# Altium PCB Copy of PCB_V0.0.PcbDoc (part 1 of 2) (continued)
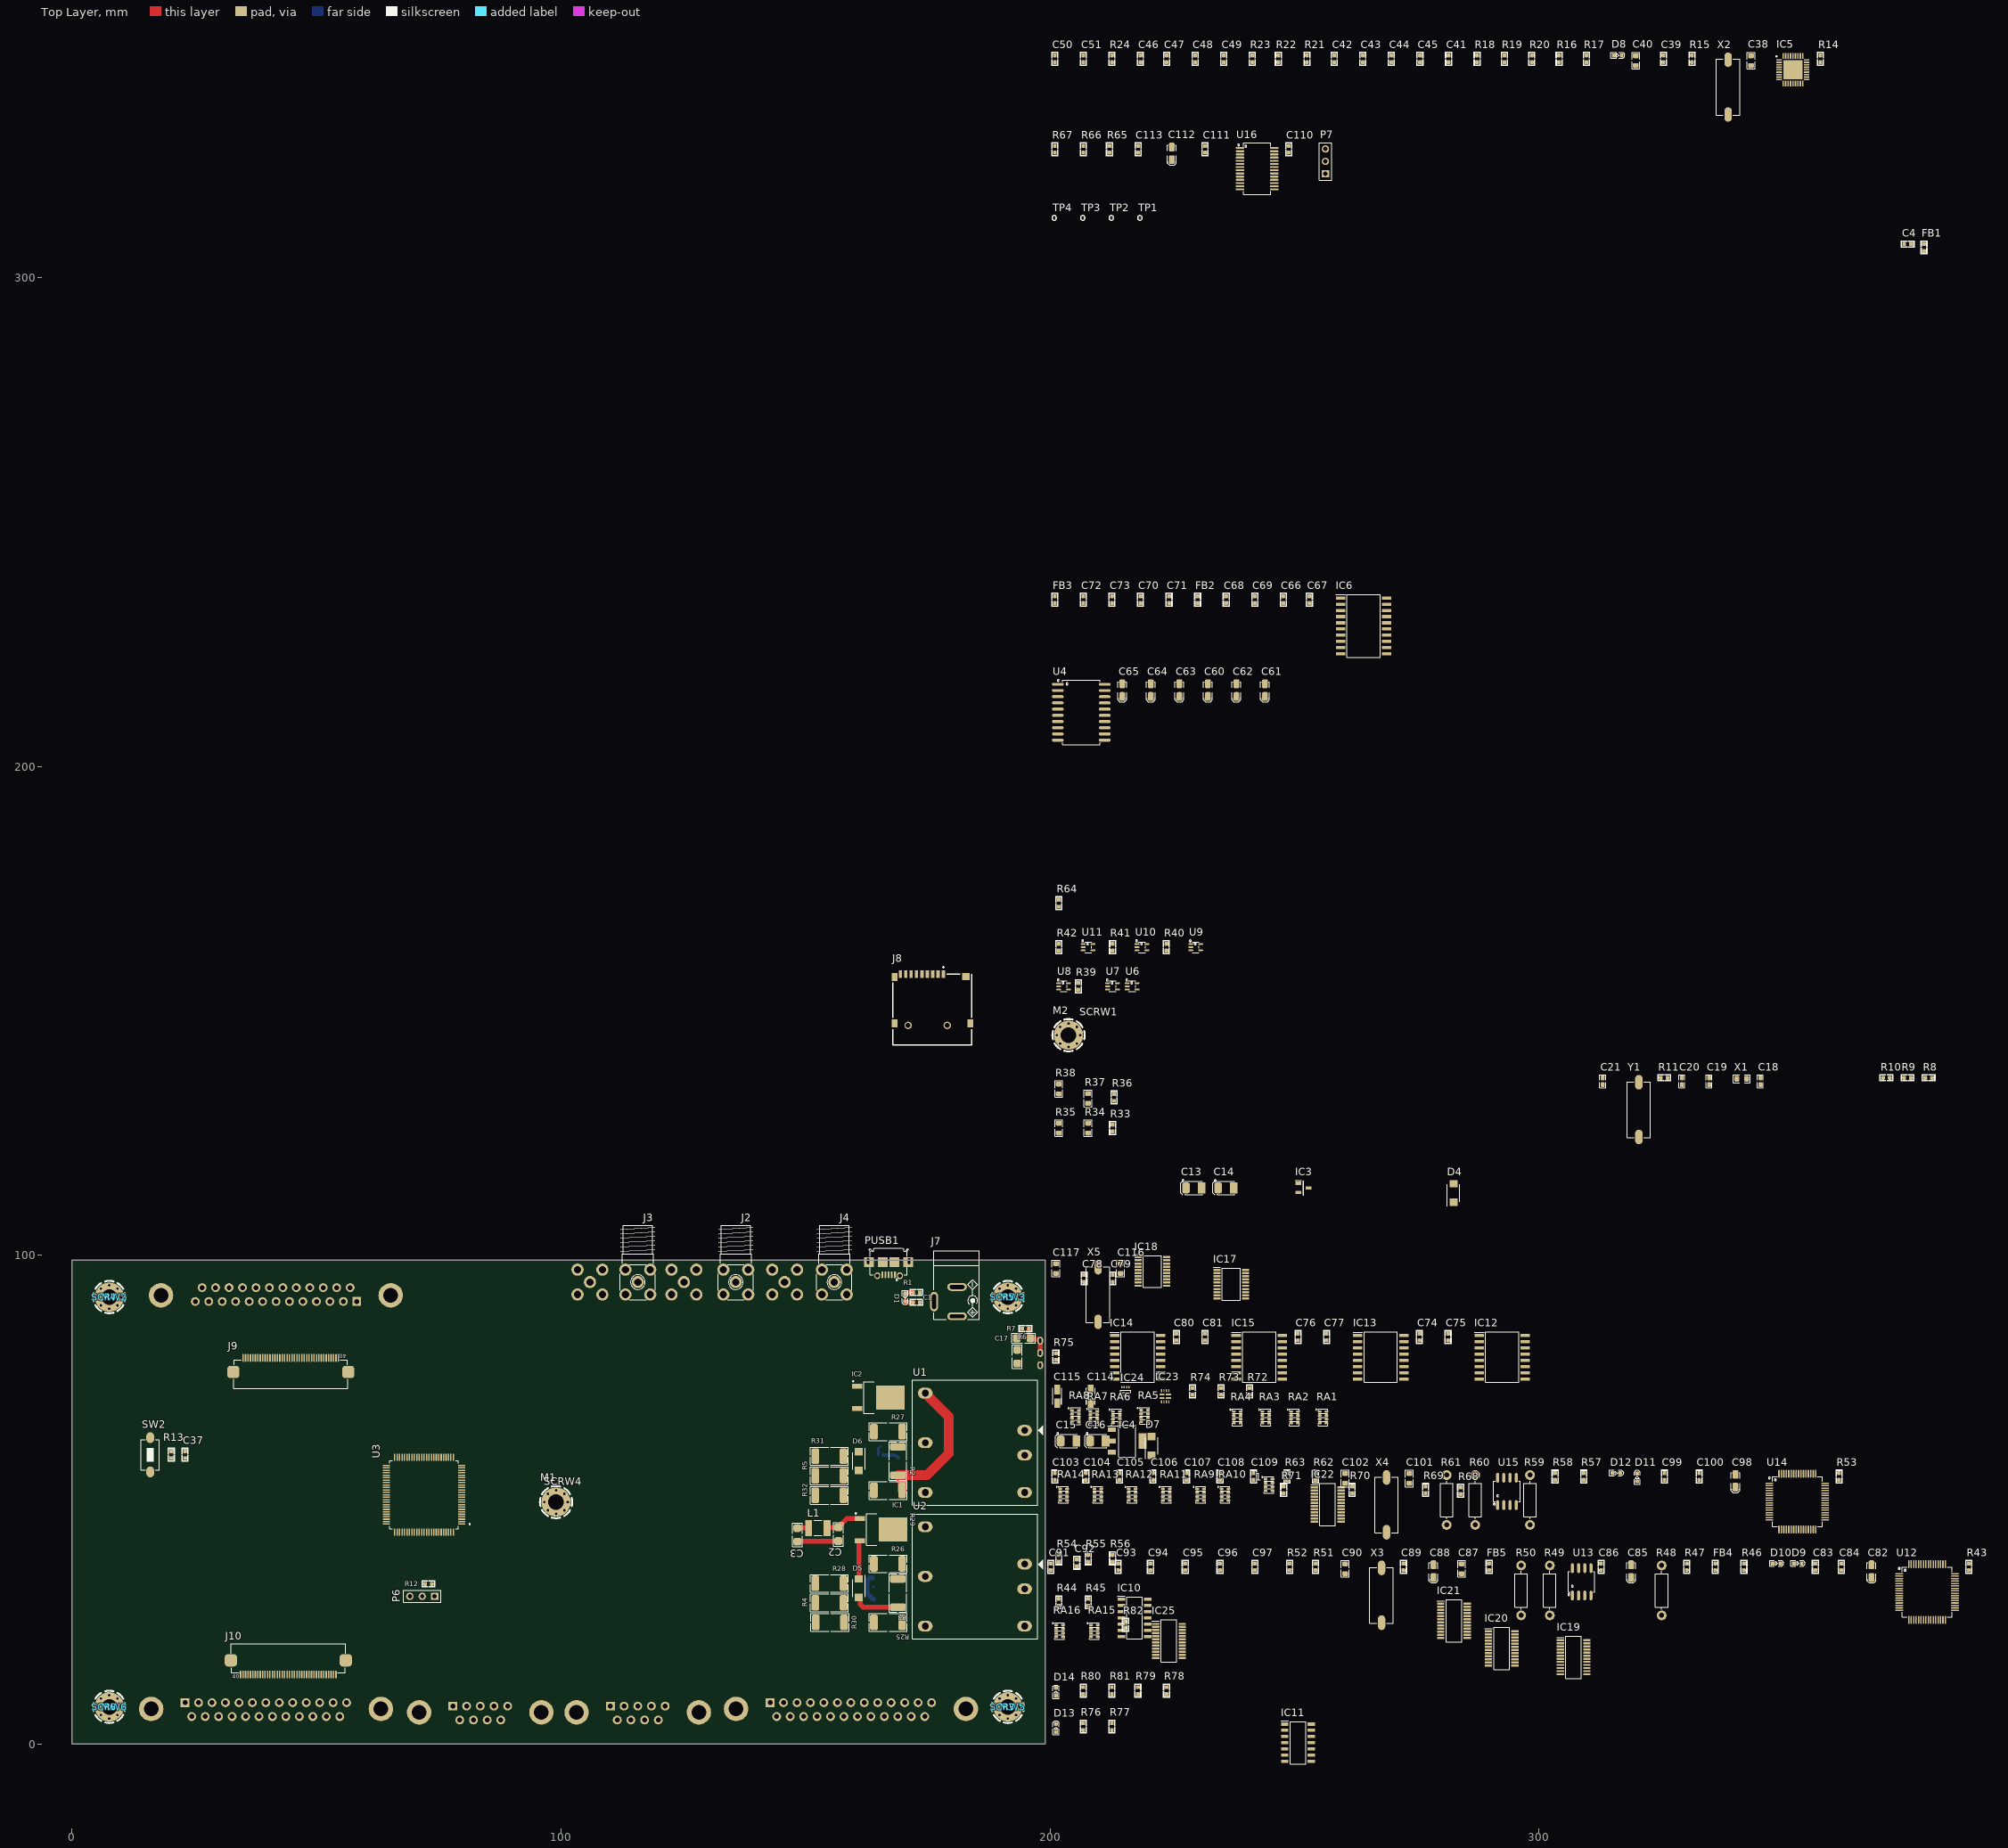
[diagram p0: Top Layer view]
## Components (designator, comment, footprint, x,y, rotation, side; value= is the part's Value field where it differs from the comment) (continued)
P4 "DSUB_9RF" DSUB_9RF 115.7,6.5 r0 bottom locked
P5 "DSUB_9RF" DSUB_9RF 83.5,6.5 r0 bottom locked
P6 "Header 3" "HDR 1X3" 74.168,30.226 r180 top
P7 "Header 3" "HDR 1X3" 256.328,321.199 r90 top
PUSB1 "CONN_USB_MICROAB_TM" USB_MICRO_AB_TM_SHT 167,96 r0 top
R1 "1K" R0603 172.682,92.366 r0 top
R2 "30m" R2512 168.892,57.888 r90 top
R3 "30m" R2512 168.892,30.888 r270 top
R4 "30m" R2512 154.892,28.888 r180 top
R5 "30m" R2512 154.892,54.888 r0 top
R6 "10K" R1206 193.294,79.248 r270 top
R7 "10E" R0603 195,85 r0 top
R8 "0R" R0603 379.671,136.287 r0 top
R9 "0R" R0603 375.353,136.287 r0 top
R10 "0R" R0603 371.035,136.287 r0 top
R11 "1M" R0603 325.594,136.287 r0 top
R12 "10k" R0603 72.898,32.766 r180 top
R13 "10k" R0603 20.32,59.182 r270 top
R14 "0R" R0603 357.547,344.719 r90 top
R15 "1M" R0603 331.284,344.719 r90 top
R16 "100K" R0603 304.106,344.719 r90 top
R17 "330E" R0603 309.694,344.719 r90 top
R18 "100K" R0603 287.342,344.719 r90 top
R19 "100K" R0603 292.93,344.719 r90 top
R20 "100K" R0603 298.518,344.719 r90 top
R21 "100K" R0603 252.544,344.719 r90 top
R22 "100K" R0603 246.702,344.719 r90 top
R23 "12.0k    1%" R0603 241.368,344.719 r90 top
R24 "100K" R0603 212.666,344.719 r90 top
R25 "10R" R2512 166.892,24.888 r0 top
R26 "10R" R2512 166.892,36.888 r180 top
R27 "10R" R2512 166.892,63.888 r0 top
R28 "10R" R2512 154.892,32.888 r0 top
R29 "10R" R2512 166.892,51.888 r180 top
R30 "10R" R2512 154.992,24.888 r180 top
R31 "10R" R2512 154.892,58.888 r180 top
R32 "10R" R2512 154.892,50.888 r180 top
R33 "0R" R0603 212.794,125.996 r90 top
R34 "0E" R0805 207.794,125.996 r90 top
R35 "0E" R0805 201.794,125.996 r90 top
R36 "0R" R0603 213.106,132.272 r90 top
R37 "10K" R0805 207.772,132.064 r90 top
R38 "10K" R0805 201.794,133.996 r90 top
R39 "10K" R0603 205.794,154.996 r90 top
R40 "143E" R0603 223.794,162.996 r90 top
R41 "143E" R0603 212.794,162.996 r90 top
R42 "143E" R0603 201.794,162.996 r90 top
R43 "0R" R0603 387.9,36.236 r90 top
R44 "15K" R0603 201.794,28.996 r90 top
R45 "15K" R0603 207.794,28.996 r90 top
R46 "10E" R0603 341.901,36.236 r90 top
R47 "10E" R0603 330.217,36.236 r90 top
R48 "12K" R025W_AX04 325.086,31.436 r90 top value=10K
R49 "12K" R025W_AX04 302.201,31.436 r90 top value="12K 1%"
R50 "12K" R025W_AX04 296.359,31.436 r90 top value=2K
R51 "15K" R0603 254.322,36.236 r90 top
R52 "10K" R0603 248.988,36.236 r90 top
R53 "0R" R0603 361.357,54.727 r90 top
R54 "15K" R0603 201.794,37.996 r90 top
R55 "15K" R0603 207.794,37.996 r90 top
R56 "15K" R0603 212.794,37.996 r90 top
R57 "10E" R0603 309.135,54.727 r90 top
R58 "10E" R0603 303.293,54.727 r90 top
R59 "12K" R025W_AX04 298.162,49.927 r90 top value=10K
R60 "12K" R025W_AX04 286.961,49.927 r90 top value="12K 1%"
R61 "12K" R025W_AX04 281.119,49.927 r90 top value=2K
R62 "15K" R0603 254.322,54.727 r90 top
R63 "10K" R0603 248.48,54.727 r90 top
R64 "0R" R0603 201.794,171.996 r90 top
R65 "10K" R0603 212.158,326.228 r90 top
R66 "10K" R0603 206.824,326.228 r90 top
R67 "10K" R0603 200.982,326.228 r90 top
R68 "10K" R0603 283.972,51.816 r90 top
R69 "10K" R0603 276.794,51.996 r90 top
R70 "10K" R0603 261.794,51.996 r90 top
R71 "10K" R0603 247.794,51.996 r90 top
R72 "10K" R0603 240.834,72.152 r90 top
R73 "10K" R0603 234.992,72.152 r90 top
R74 "10K" R0603 229.15,72.152 r90 top
R75 "50E" R0603 201.21,79.264 r90 top
R76 "10K" R0603 206.798,3.572 r90 top
R77 "330E" R0603 212.64,3.572 r90 top
R78 "15K" R0603 223.816,10.938 r90 top
R79 "15K" R0603 217.974,10.938 r90 top
R80 "10K" R0603 206.798,10.938 r90 top
R81 "330E" R0603 212.64,10.938 r90 top
R82 "10K" R0603 215.434,24.4 r90 top
RA1 "Film Res Pack" RP0603X4 255.846,66.818 r0 top value=100E
RA2 "Film Res Pack" RP0603X4 250.004,66.818 r0 top value=10K
RA3 "Film Res Pack" RP0603X4 244.136,66.818 r0 top value=100E
RA4 "Film Res Pack" RP0603X4 238.294,66.818 r0 top value=100K
RA5 "Film Res Pack" RP0603X4 219.338,67.124 r0 top value=10K
RA6 "Film Res Pack" RP0603X4 213.58,66.818 r0 top value=100E
RA7 "Film Res Pack" RP0603X4 208.955,66.918 r0 top value=100E
RA8 "Film Res Pack" RP0603X4 205.196,67.083 r0 top value=10K
RA9 "Film Res Pack" RP0603X4 230.794,50.996 r0 top value=100E
RA10 "Film Res Pack" RP0603X4 235.794,50.996 r0 top value=100E
RA11 "Film Res Pack" RP0603X4 223.794,50.996 r0 top value=10K
RA12 "Film Res Pack" RP0603X4 216.794,50.996 r0 top value=10K
RA13 "Film Res Pack" RP0603X4 209.794,50.996 r0 top value=100E
RA14 "Film Res Pack" RP0603X4 202.794,50.996 r0 top value=100E
RA15 "Film Res Pack" RP0603X4 209.084,23.13 r0 top value=100E
RA16 "Film Res Pack" RP0603X4 201.972,23.13 r0 top value=100E
SCRW1 "SCREW" SCRW_PANH_PHLIPS_M3X5 208.534,145.542 r0 top
SCRW2 "SCREW" SCRW_PANH_PHLIPS_M3X5 7.62,91.44 r0 top
SCRW3 "SCREW" SCRW_PANH_PHLIPS_M3X5 191.38,91.44 r0 top
SCRW4 "SCREW" SCRW_PANH_PHLIPS_M3X5 99,49.5 r0 top
SCRW5 "SCREW" SCRW_PANH_PHLIPS_M3X5 191.38,7.62 r0 top
SCRW6 "SCREW" SCRW_PANH_PHLIPS_M3X5 7.62,7.62 r0 top
SW1 "SlideSwitch" SWSLIDT_SPDT_R_8X4 198,80 r90 bottom
SW2 "PUSHBUTTON" SWPBS_SPST_6X3X5 16.002,59.182 r90 top
TP1 "TESTPOINT_PROBE" TP80D50 218.381,312.182 r90 top value=VALUE
TP2 "TESTPOINT_PROBE" TP80D50 212.539,312.182 r90 top value=VALUE
TP3 "TESTPOINT_PROBE" TP80D50 206.697,312.182 r90 top value=VALUE
TP4 "TESTPOINT_PROBE" TP80D50 200.855,312.182 r90 top value=VALUE
U1 "MJWI10-24S05" MINMAX_MJWI10 184.654,61.634 r270 top
U2 "MJWI10-24S05" MINMAX_MJWI10 184.658,34.29 r270 top
U3 "STM32H7B0VBT6" QFP50P1600X1600X160-100N 72,51 r180 top locked
U4 "ADM3251" SO_20_W 206.392,211.064 r0 top
U5 "TXB0108" SOG65_20 52,53 r180 bottom
U6 "741G04" SOT353_5 216.794,154.996 r0 top
U7 "741G04" SOT353_5 212.794,154.996 r0 top
U8 "741G04" SOT353_5 202.794,154.996 r0 top
U9 "741G04" SOT353_5 229.794,162.996 r0 top
U10 "741G04" SOT353_5 218.794,162.996 r0 top
U11 "741G04" SOT353_5 207.794,162.996 r0 top
U12 "FT2232HL" QFG50_64 379.366,31.105 r0 top
U13 "AT93C46" SO_8 308.728,33.189 r90 top
U14 "FT2232HL" QFG50_64 352.823,49.597 r0 top
U15 "AT93C46" SO_8 293.438,51.679 r90 top
U16 "FT232RL" SOG65_28_W 242.358,322.24 r0 top
X1 "XTL_32.768KHz" XTL_2_2012 341.469,136.084 r0 top
X2 "XTL_24MHz" XTL_2_11X5 338.675,338.928 r90 top
X3 "XTL_12MHz" XTL_2_11X5 267.809,30.445 r90 top
X4 "XTL_12MHz" XTL_2_11X5 268.825,48.936 r90 top
X5 "XTL_12MHz" XTL_2_11X5 209.846,91.964 r90 top
Y1 "16MHz" XTL_2_11X5 320.412,129.784 r90 top

## Footprints (in the part's own frame and the unit in brackets; to place one, negate y for a bottom-side part, rotate by r counter-clockwise, add the part's x,y. Pads: shape width x height; smd on the part's side, far side on the other; paste and mask are expansions set on the pad)
0603 [mm] "1608, 160X80, 1.6x0.8mm (1.75x0.95mm)"
  rrect50% 0.8x0.8 smd paste-5 mask+0.075: 1(-0.7,0) 2(0.7,0)
  silkscreen extent -1.4,-0.7 1.4,0.7, body extent -0.87,-0.48 0.87,0.48, height 0.6
C0603#1 [mm] "CHIP Capacitor, 1.6X0.8mm, 0603 OPTIMIZED"
  rrect50% 0.8x0.8 smd mask+0.075: 1(-0.7,0) 2(0.7,0)
  Top Layer pour cut-out: -0.5,0.4 0.5,0.4 0.5,-0.4 -0.5,-0.4
  silkscreen extent -1.4,-0.7 1.4,0.7, body extent -0.8,-0.4 0.8,0.4, height 0.9
C0603#2 [mm] "CHIP Capacitor, 1.6X0.8mm, 0603 www.smartw.ir"
  rrect50% 1x0.8 smd mask+0.075: 1(-0.7,0) 2(0.7,0)
  silkscreen extent -1.33,-0.6 1.32,0.6, body extent -0.8,-0.4 0.8,0.4, height 0.9
C0805 [mm] "CHIP Capacitor, 2.0X1.3mm, 0805"
  rrect50% 1x1.2 smd paste-0.1 mask+0.075: 1(-1,0) 2(1,0)
  Top Layer pour cut-out: -0.5,0.8 0.5,0.8 0.5,-0.8 -0.5,-0.8
  silkscreen extent -1.7,-0.8 1.7,0.8, body extent -1,-0.63 1,0.63, height 1
C1206#1 [mm] "CHIP Capacitor, 3.2X1.6mm, 1206 www.smartw.ir"
  rrect50% 1.6x1.6 smd mask+0.075: 1(-1.4,0) 2(1.4,0)
  Top Layer pour cut-out: -0.8,1 -0.8,-1 0.8,-1 0.8,1
  silkscreen extent -2.4,-1 2.4,1, body extent -1.6,-0.8 1.6,0.8, height 1
C1206#2 [mm] "CHIP Capacitor, 3.2X1.6mm, 1206"
  rrect50% 1.6x1.6 smd paste-0.1 mask+0.075: 1(-1.4,0) 2(1.4,0)
  Top Layer pour cut-out: -0.8,1 -0.8,-1 0.8,-1 0.8,1
  silkscreen extent -2.4,-1 2.4,1, body extent -1.6,-0.8 1.6,0.8, height 1
C_TN_3216 [mm] "CAPACITOR, TAN A, 1206P, 3.2x1.6mm"
  rrect50% 1.8x1.2 smd mask+0.075: 1(-1.3,0) 2(1.3,0)
  Top Layer pour cut-out: -0.762,0.9 0.762,0.9 0.762,-0.9 -0.762,-0.9
  silkscreen extent -2.4,-0.9 1.7,0.9, body extent -1.7,-0.9 1.7,0.9, height 1.7
C_TN_3528 [mm] "CAPACITOR, TAN B, TAN H, TAN T, TAN M, 3528P, 1210P, 3.5X2.8mm"
  rrect50% 1.6x2.2 smd mask+0.1: 1(-1.6,0)
  rect 1.6x2.2 smd mask+0.1: 2(1.6,0)
  Top Layer pour cut-out: -0.889,1.4 -0.889,-1.4 0.889,-1.4 0.889,1.4
  silkscreen extent -2.7,-1.4 1.8,1.7, body extent -1.85,-1.47 1.85,1.46, height 2.03
Cap_A [mm] "Capacitor, SM Tantalum; Body 3.2 x 1.6 mm (LxW typ) (www.smartw.ir)"
  rect 2x1.2 smd: 1(-1.4,0) 2(1.4,0)
  silkscreen extent -1.7,-0.9 1.7,0.9, body extent -1.7,-0.9 1.7,0.9, height 1.7
Cap_D [mm] "Capacitor, SM Tantalum; Body 7.3 x 4.3 mm (LxW typ) (www.smartw.ir)"
  rect 2.6x2.4 smd: 1(-3.2,0) 2(3.2,0)
  silkscreen extent -4.57,-2.3 3.8,2.43, body extent -3.65,-2.15 3.65,2.15, height 2.8
CD43NP220MC [mm]
  rect 4.5x1.75 smd: 1(0,-1.625) 2(0,1.625)
  silkscreen extent -0.05,-3 0.05,-2.9
D0603 [mm] "DIODE 0603, CDSU101A (Package SOD-523F)"
  rect 0.8x0.8 smd paste-2 mask+0.075: 1(-0.8,0)
  rrect50% 0.8x0.8 smd paste-2 mask+0.075: 2(0.8,0)
  silkscreen extent -1.4,-0.6 1.5,0.6, body extent -0.85,-0.4 0.85,0.4, height 0.56
DIOM5336X244N [mm]
  rect 2.25x2.05 smd: 1(-2.15,0) 2(2.15,0)
  silkscreen extent -3.17,-1.81 2.64,1.81, body extent -2.64,-1.81 2.64,1.81, height 2.44
DSUB_9RF [mm] "CONN, DSUB MINIATURE, 9PIN, R/A, FEMALE"
  rect 1.8x1.8 hole 1 mask+0.1: 1(-5.6,-1.27)
  round 1.8 hole 1 mask+0.1: 2(-2.8,-1.27) 3(0,-1.27) 4(2.8,-1.27) 5(5.6,-1.27) 6(-4.2,1.57) 7(-1.4,1.57) 8(1.4,1.57) 9(4.2,1.57)
  round 5 hole 3: MH1(-12.5,0) MH2(12.5,0)
  silkscreen extent -15.5,-3 15.5,15.8, body extent -15.4,-2.9 15.4,15.6, height 12.8
DSUB_25RF [mm] "CONN, DSUB MINIATURE, 25 WAY, RIGHT-ANGLE, FEMALE"
  rect 1.8x1.8 hole 1 mask+0.1: 1(-16.552,-1.27)
  round 1.8 hole 1 mask+0.1: 2(-13.801,-1.27) 3(-11.049,-1.27) 4(-8.297,-1.27) 5(-5.546,-1.27) 6(-2.794,-1.27) 7(-0.042,-1.27) 8(2.709,-1.27) 9(5.461,-1.27) 10(8.213,-1.27) 11(10.964,-1.27) 12(13.716,-1.27) 13(16.468,-1.27) 14(-15.198,1.57) 15(-12.446,1.57) 16(-9.694,1.57) 17(-6.943,1.57) 18(-4.191,1.57) 19(-1.439,1.57) 20(1.312,1.57) 21(4.064,1.57) 22(6.816,1.57) 23(9.567,1.57) 24(12.319,1.57) 25(15.071,1.57)
  round 5 hole 3: MH1(-23.495,0) MH2(23.495,0)
  silkscreen extent -26.67,-2.96 26.67,18, body extent -26.62,-2.1 26.42,18.7, height 12.58
FPC50_40 [mm] "FPC, pitch: 0.5mm, FH12-40S-0.5SH, molex 54132-4062   (www.Smartw.ir)"
  oval 0.3x1.6 smd mask+0.05: 1(9.75,0) 2(9.25,0) 3(8.75,0) 4(8.25,0) 5(7.75,0) 6(7.25,0) 7(6.75,0) 8(6.25,0) 9(5.75,0) 10(5.25,0) 11(4.75,0) 12(4.25,0) 13(3.75,0) 14(3.25,0) 15(2.75,0) 16(2.25,0) 17(1.75,0) 18(1.25,0) 19(0.75,0) 20(0.25,0) 21(-0.25,0) 22(-0.75,0) 23(-1.25,0) 24(-1.75,0) 25(-2.25,0) 26(-2.75,0) 27(-3.25,0) 28(-3.75,0) 29(-4.25,0) 30(-4.75,0) 31(-5.25,0) 32(-5.75,0) 33(-6.25,0) 34(-6.75,0) 35(-7.25,0) 36(-7.75,0) 37(-8.25,0) 38(-8.75,0) 39(-9.25,0) 40(-9.75,0)
  rrect50% 2.5x2.5 smd: ""(-11.75,2.9) ""(11.75,2.9)
  silkscreen extent -11.7,0.4 11.7,6.3, body extent -12.05,-0.3 12.05,6.1, height 2.09
"HDR 1X3" [mm] "Connector; Header; 3 Position"
  rect 1.5x1.5 hole 0.9: 1(0,0)
  round 1.5 hole 0.9: 2(2.54,0) 3(5.08,0)
  silkscreen extent -1.27,-1.27 6.35,1.27, body extent -1.26,-1.27 6.35,1.26, height 8.51
JAC_PWR2 [mm] "DC POWER JACK, Power Jack KLDX-0202"
  oval 4x1.6 hole 0.8 slot 3 at 0 deg: 1(0,0) 2(0,6)
  oval 1.6x4 hole 0.8 slot 3 at 90 deg: 3(-4.7,3)
  silkscreen extent -4.8,-0.6 4.5,13.4, body extent -4.9,-0.65 4.5,13.85, height 10.8
L0603 [mm] "INDUCTOR, FERRITE BEAD, 0603, 1.6X0.8mm"
  rrect50% 0.8x0.8 smd mask+0.075: 1(-0.7,0) 2(0.7,0)
  silkscreen extent -1.4,-0.7 1.4,0.7, body extent -0.8,-0.4 0.8,0.4, height 0.95
L1812 [mm] "INDUCTOR, 1812, 4.5X3.2mm (www.Smartw.ir)"
  rect 1.4x3.3 smd: 1(-1.9,0) 2(1.9,0)
  silkscreen extent -0.8,-1.55 0.8,1.55, body extent -2.25,-1.6 2.25,1.6, height 1.75
LED0603RED [mm] "LED SMD 0603, RED"
  rect 0.8x0.8 smd paste-5 mask+0.075: 1(-0.8,0)
  rrect50% 0.8x0.8 smd paste-5 mask+0.075: 2(0.8,0)
  silkscreen extent -1.4,-0.6 1.4,0.6, body extent -0.8,-0.4 0.8,0.4, height 0.5
MINMAX_MJWI10 [mm] "DC-DC Module, 25.4X25.4mm, =PDQ15-D"
  oval 2.2x3 hole 1.4: 1(-2.54,10.16) 2(2.54,10.16) 3(-10.16,-10.16) 4(0,-10.16) 5(10.16,-10.16) 6(10.16,10.16)
  silkscreen extent -12.8,-12.8 12.8,13.9, body extent -12.7,-12.7 12.7,12.7, height 10.5
QFG50_64 [mm] "A64 (CYPRESS), TQFP64, LQFP64, VQ44, VQG44, 10X10mm, Pitch: 0.5mm"
  oval 1.6x0.3 smd mask+0.05: 1(-5.7,3.75) 2(-5.7,3.25) 3(-5.7,2.75) 4(-5.7,2.25) 5(-5.7,1.75) 6(-5.7,1.25) 7(-5.7,0.75) 8(-5.7,0.25) 9(-5.7,-0.25) 10(-5.7,-0.75) 11(-5.7,-1.25) 12(-5.7,-1.75) 13(-5.7,-2.25) 14(-5.7,-2.75) 15(-5.7,-3.25) 16(-5.7,-3.75) 33(5.7,-3.75) 34(5.7,-3.25) 35(5.7,-2.75) 36(5.7,-2.25) 37(5.7,-1.75) 38(5.7,-1.25) 39(5.7,-0.75) 40(5.7,-0.25) 41(5.7,0.25) 42(5.7,0.75) 43(5.7,1.25) 44(5.7,1.75) 45(5.7,2.25) 46(5.7,2.75) 47(5.7,3.25) 48(5.7,3.75)
  oval 0.3x1.6 smd mask+0.05: 17(-3.75,-5.7) 18(-3.25,-5.7) 19(-2.75,-5.7) 20(-2.25,-5.7) 21(-1.75,-5.7) 22(-1.25,-5.7) 23(-0.75,-5.7) 24(-0.25,-5.7) 25(0.25,-5.7) 26(0.75,-5.7) 27(1.25,-5.7) 28(1.75,-5.7) 29(2.25,-5.7) 30(2.75,-5.7) 31(3.25,-5.7) 32(3.75,-5.7) 49(3.75,5.7) 50(3.25,5.7) 51(2.75,5.7) 52(2.25,5.7) 53(1.75,5.7) 54(1.25,5.7) 55(0.75,5.7) 56(0.25,5.7) 57(-0.25,5.7) 58(-0.75,5.7) 59(-1.25,5.7) 60(-1.75,5.7) 61(-2.25,5.7) 62(-2.75,5.7) 63(-3.25,5.7) 64(-3.75,5.7)
  silkscreen extent -5.9,-5.1 5.1,5.1, body extent -6,-6 6,6, height 1.6
QFN50P600X600X100-37N-D [mm]
  rect 1.15x0.3 smd: 1(-2.8,2) 2(-2.8,1.5) 3(-2.8,1) 4(-2.8,0.5) 5(-2.8,0) 6(-2.8,-0.5) 7(-2.8,-1) 8(-2.8,-1.5) 9(-2.8,-2) 19(2.8,-2) 20(2.8,-1.5) 21(2.8,-1) 22(2.8,-0.5) 23(2.8,0) 24(2.8,0.5) 25(2.8,1) 26(2.8,1.5) 27(2.8,2)
  rect 0.3x1.15 smd: 10(-2,-2.8) 11(-1.5,-2.8) 12(-1,-2.8) 13(-0.5,-2.8) 14(0,-2.8) 15(0.5,-2.8) 16(1,-2.8) 17(1.5,-2.8) 18(2,-2.8) 28(2,2.8) 29(1.5,2.8) 30(1,2.8) 31(0.5,2.8) 32(0,2.8) 33(-0.5,2.8) 34(-1,2.8) 35(-1.5,2.8) 36(-2,2.8)
  rect 3.85x3.85 smd: 37(0,0)
  silkscreen extent -3.5,2.63 -3.25,2.87, body extent -3.05,-3.05 3.05,3.05, height 1
QFP50P1600X1600X160-100N [mm]
  rrect25% 1.47x0.28 smd: 1(-7.67,6) 2(-7.67,5.5) 3(-7.67,5) 4(-7.67,4.5) 5(-7.67,4) 6(-7.67,3.5) 7(-7.67,3) 8(-7.67,2.5) 9(-7.67,2) 10(-7.67,1.5) 11(-7.67,1) 12(-7.67,0.5) 13(-7.67,0) 14(-7.67,-0.5) 15(-7.67,-1) 16(-7.67,-1.5) 17(-7.67,-2) 18(-7.67,-2.5) 19(-7.67,-3) 20(-7.67,-3.5) 21(-7.67,-4) 22(-7.67,-4.5) 23(-7.67,-5) 24(-7.67,-5.5) 25(-7.67,-6) 51(7.67,-6) 52(7.67,-5.5) 53(7.67,-5) 54(7.67,-4.5) 55(7.67,-4) 56(7.67,-3.5) 57(7.67,-3) 58(7.67,-2.5) 59(7.67,-2) 60(7.67,-1.5) 61(7.67,-1) 62(7.67,-0.5) 63(7.67,0) 64(7.67,0.5) 65(7.67,1) 66(7.67,1.5) 67(7.67,2) 68(7.67,2.5) 69(7.67,3) 70(7.67,3.5) 71(7.67,4) 72(7.67,4.5) 73(7.67,5) 74(7.67,5.5) 75(7.67,6)
  rrect25% 0.28x1.47 smd: 26(-6,-7.67) 27(-5.5,-7.67) 28(-5,-7.67) 29(-4.5,-7.67) 30(-4,-7.67) 31(-3.5,-7.67) 32(-3,-7.67) 33(-2.5,-7.67) 34(-2,-7.67) 35(-1.5,-7.67) 36(-1,-7.67) 37(-0.5,-7.67) 38(0,-7.67) 39(0.5,-7.67) 40(1,-7.67) 41(1.5,-7.67) 42(2,-7.67) 43(2.5,-7.67) 44(3,-7.67) 45(3.5,-7.67) 46(4,-7.67) 47(4.5,-7.67) 48(5,-7.67) 49(5.5,-7.67) 50(6,-7.67) 76(6,7.67) 77(5.5,7.67) 78(5,7.67) 79(4.5,7.67) 80(4,7.67) 81(3.5,7.67) 82(3,7.67) 83(2.5,7.67) 84(2,7.67) 85(1.5,7.67) 86(1,7.67) 87(0.5,7.67) 88(0,7.67) 89(-0.5,7.67) 90(-1,7.67) 91(-1.5,7.67) 92(-2,7.67) 93(-2.5,7.67) 94(-3,7.67) 95(-3.5,7.67) 96(-4,7.67) 97(-4.5,7.67) 98(-5,7.67) 99(-5.5,7.67) 100(-6,7.67)
  silkscreen extent -9.44,-7 7,7, body extent -8,-8 8,8, height 0.72
R025W_AX04 [mm] "RESISTOR 1/4 WATT, AXIAL0.4"
  round 2 hole 1: 1(-5.1,0) 2(5.1,0)
  silkscreen extent -3.9,-1.3 3.9,1.3, body extent -5.38,-1.28 5.38,1.28, height 2.6
R0603 [mm] "CHIP Resistor 1/10 WATT, 1.6x0.8mm, 0603, OPTIMIZED"
  rrect50% 0.8x0.8 smd mask+0.075: 1(-0.7,0) 2(0.7,0)
  Top Layer pour cut-out: -0.5,0.4 0.5,0.4 0.5,-0.4 -0.5,-0.4
  silkscreen extent -1.4,-0.7 1.4,0.7, body extent -0.85,-0.4 0.85,0.4, height 0.56
R0805 [mm] "CHIP RESISTOR 1/8 WATT ,2.0X1.3mm, 0805, 2012"
  rrect50% 1x1.2 smd paste-0.1 mask+0.075: 1(-1,0) 2(1,0)
  Top Layer pour cut-out: -0.5,0.8 0.5,0.8 0.5,-0.8 -0.5,-0.8
  silkscreen extent -1.7,-0.8 1.7,0.8, body extent -1.15,-0.67 1.15,0.68, height 0.76
R1206 [mm] "CHIP RESISTOR 1/4 WATT, Body 3.2x1.6mm,1206, 3216"
  rrect50% 1.6x1.6 smd paste-0.1 mask+0.075: 1(-1.4,0) 2(1.4,0)
  Top Layer pour cut-out: -0.8,1 -0.8,-1 0.8,-1 0.8,1
  silkscreen extent -2.4,-1 2.4,1, body extent -1.67,-0.86 1.68,0.87, height 0.85
R2512 [mm] "CHIP RESISTOR 1 WATT, 6.4X3.2mm, 2512, 6432"
  rrect50% 1.6x3.2 smd: 1(-2.9,0) 2(2.9,0)
  Top Layer pour cut-out: -2.4,1.9 2.4,1.9 2.4,-1.9 -2.4,-1.9
  silkscreen extent -3.9,-1.8 3.9,1.8, body extent -3.17,-1.5 3.18,1.5, height 1.6
RP0603X4 [mm] "RPACK, 0603X4, 160X80X4 1206, 742C083, EXBV8V"
  oval 0.8x0.5 smd paste-0.05 mask+0.075: 1(-0.7,1.2) 2(-0.7,0.4) 3(-0.7,-0.4) 4(-0.7,-1.2) 5(0.7,-1.2) 6(0.7,-0.4) 7(0.7,0.4) 8(0.7,1.2)
  silkscreen extent -1.5,-1.7 1,1.7, body extent -0.8,-1.6 0.8,1.6, height 0.5
SCMH_M3#1 [mm] "SCREW mouting, M3, 3.0mm diameter and 6.0mm PanHead"
  round 6 / inner round 3.5 / far side round 10 hole 3.2 mask+0.1: 1(0,0)
  Top Layer pour cut-out: 0,3.5 -1.339,3.234 -2.475,2.475 -3.234,1.339 -3.5,0 -3.5,0 -3.234,-1.339 -2.475,-2.475 -1.339,-3.234 0,-3.5 0,-3.5 1.75,-3.031 3.031,-1.75 3.5,0 3.5,0 3.234,1.339 2.475,2.475 1.339,3.234 0,3.5
  Bottom Layer pour cut-out: 0,3.5 -1.339,3.234 -2.475,2.475 -3.234,1.339 -3.5,0 -3.5,0 -3.234,-1.339 -2.475,-2.475 -1.339,-3.234 0,-3.5 0,-3.5 1.75,-3.031 3.031,-1.75 3.5,0 3.5,0 3.234,1.339 2.475,2.475 1.339,3.234 0,3.5
  silkscreen extent -3.3,-3.3 3.3,3.3
SCMH_M3#2 [mm] "SCREW mouting, M3, 3.0mm diameter and 6.0mm PanHead"
  round 6 / inner round 3.5 / far side round 6 hole 3.2 mask+0.1: 1(0,0)
  Top Layer pour cut-out: 0,3.5 -1.339,3.234 -2.475,2.475 -3.234,1.339 -3.5,0 -3.5,0 -3.234,-1.339 -2.475,-2.475 -1.339,-3.234 0,-3.5 0,-3.5 1.75,-3.031 3.031,-1.75 3.5,0 3.5,0 3.234,1.339 2.475,2.475 1.339,3.234 0,3.5
  Bottom Layer pour cut-out: 0,3.5 -1.339,3.234 -2.475,2.475 -3.234,1.339 -3.5,0 -3.5,0 -3.234,-1.339 -2.475,-2.475 -1.339,-3.234 0,-3.5 0,-3.5 1.75,-3.031 3.031,-1.75 3.5,0 3.5,0 3.234,1.339 2.475,2.475 1.339,3.234 0,3.5
  silkscreen extent -3.3,-3.3 3.3,3.3
SCMH_M3#3 [mm] "SCREW mouting, M3, 3.0mm diameter and 6.0mm PanHead"
  round 6 / inner round 3.5 / far side round 10 hole 3.2 mask+0.1: 3(0,0)
  Top Layer pour cut-out: 0,3.5 -1.339,3.234 -2.475,2.475 -3.234,1.339 -3.5,0 -3.5,0 -3.234,-1.339 -2.475,-2.475 -1.339,-3.234 0,-3.5 0,-3.5 1.75,-3.031 3.031,-1.75 3.5,0 3.5,0 3.234,1.339 2.475,2.475 1.339,3.234 0,3.5
  Bottom Layer pour cut-out: 0,3.5 -1.339,3.234 -2.475,2.475 -3.234,1.339 -3.5,0 -3.5,0 -3.234,-1.339 -2.475,-2.475 -1.339,-3.234 0,-3.5 0,-3.5 1.75,-3.031 3.031,-1.75 3.5,0 3.5,0 3.234,1.339 2.475,2.475 1.339,3.234 0,3.5
  silkscreen extent -3.3,-3.3 3.3,3.3
SCRW_PANH_PHLIPS_M3X5 [mm] "SCREW, M3, 3.0mm diameter and 6.0mm PanHead, Phillips, 5mm Length"
  body extent -2.74,-2.75 2.74,2.75, height 2.28
SMA_RA [mm] "CONN, RF, COAX, SMA, RIGHT ANGLE THD"
  round 2.5 hole 1.5: 1(0,0) 2(-2.54,-2.54) 3(2.54,-2.54) 4(2.54,2.54) 5(-2.54,2.54)
  silkscreen extent -3.6,-3.6 3.6,11.6, body extent -3.5,-3.54 3.5,11.56, height 10.26
SO_8 [mm] "SOP-8, 5x3.9mm body 1.27mm pitch, SOT96-1, M08A, S8, SOIC8, VO8, MS-012AA(JEDEC), R-8, 8S2, VOG8"
  oval 2x0.6 smd: 1(-2.8,1.905) 2(-2.8,0.635) 3(-2.8,-0.635) 4(-2.8,-1.905) 5(2.8,-1.905) 6(2.8,-0.635) 7(2.8,0.635) 8(2.8,1.905)
  silkscreen extent -2.8,-2.7 2.1,2.8, body extent -3,-2.45 3,2.45, height 1.7
SO_20_W [mm] "SOP, SOIC, 7.5mm width, 1.27mm pitch,"
  oval 2.4x0.6 smd: 1(-4.8,5.715) 2(-4.8,4.445) 3(-4.8,3.175) 4(-4.8,1.905) 5(-4.8,0.635) 6(-4.8,-0.635) 7(-4.8,-1.905) 8(-4.8,-3.175) 9(-4.8,-4.445) 10(-4.8,-5.715) 11(4.8,-5.715) 12(4.8,-4.445) 13(4.8,-3.175) 14(4.8,-1.905) 15(4.8,-0.635) 16(4.8,0.635) 17(4.8,1.905) 18(4.8,3.175) 19(4.8,4.445) 20(4.8,5.715)
  silkscreen extent -4.9,-6.6 3.8,6.7, body extent -5.33,-6.5 5.33,6.5, height 2.65
SODFL4626X110N [mm]
  rect 1.53x1.63 smd: 1(-1.9,0) 2(1.9,0)
  silkscreen extent -2.67,-1.28 1.75,1.28, body extent -2.32,-1.28 2.32,1.28, height 1.1
SOG65_20 [mm] "PW TSSOP (TI), MO-153-AC (JEDEC), 20Lead, pitch: 0.65mm, 6.5x4.4x1.2mm"
  oval 1.8x0.4 smd mask+0.075: 1(-2.9,2.925) 2(-2.9,2.275) 3(-2.9,1.625) 4(-2.9,0.975) 5(-2.9,0.325) 6(-2.9,-0.325) 7(-2.9,-0.975) 8(-2.9,-1.625) 9(-2.9,-2.275) 10(-2.9,-2.925) 11(2.9,-2.925) 12(2.9,-2.275) 13(2.9,-1.625) 14(2.9,-0.975) 15(2.9,-0.325) 16(2.9,0.325) 17(2.9,0.975) 18(2.9,1.625) 19(2.9,2.275) 20(2.9,2.925)
  silkscreen extent -3.1,-3.4 2.4,3.7, body extent -3.2,-3.25 3.2,3.25, height 1.2
SOG65_28_W [mm] "SOP, 28-Leads, Body 10.6x5.6mm (max), Pitch 0.65mm"
  oval 1.8x0.4 smd mask+0.075: 1(-3.5,4.225) 2(-3.5,3.575) 3(-3.5,2.925) 4(-3.5,2.275) 5(-3.5,1.625) 6(-3.5,0.975) 7(-3.5,0.325) 8(-3.5,-0.325) 9(-3.5,-0.975) 10(-3.5,-1.625) 11(-3.5,-2.275) 12(-3.5,-2.925) 13(-3.5,-3.575) 14(-3.5,-4.225) 15(3.5,-4.225) 16(3.5,-3.575) 17(3.5,-2.925) 18(3.5,-2.275) 19(3.5,-1.625) 20(3.5,-0.975) 21(3.5,-0.325) 22(3.5,0.325) 23(3.5,0.975) 24(3.5,1.625) 25(3.5,2.275) 26(3.5,2.925) 27(3.5,3.575) 28(3.5,4.225)
  silkscreen extent -4.01,-5.3 2.8,5.3, body extent -3.88,-5.17 3.88,5.16, height 2.16
SOIC127P600X175-14N [mm]
  rect 1.525x0.65 smd: 1(-2.712,3.81) 2(-2.712,2.54) 3(-2.712,1.27) 4(-2.712,0) 5(-2.712,-1.27) 6(-2.712,-2.54) 7(-2.712,-3.81) 8(2.712,-3.81) 9(2.712,-2.54) 10(2.712,-1.27) 11(2.712,0) 12(2.712,1.27) 13(2.712,2.54) 14(2.712,3.81)
  silkscreen extent -3.47,-4.33 1.6,4.48, body extent -3.01,-4.32 3.01,4.34, height 1.75
SOIC127P1032X265-16N [mm]
  rect 1.925x0.65 smd: 1(-4.712,4.445) 2(-4.712,3.175) 3(-4.712,1.905) 4(-4.712,0.635) 5(-4.712,-0.635) 6(-4.712,-1.905) 7(-4.712,-3.175) 8(-4.712,-4.445) 9(4.712,-4.445) 10(4.712,-3.175) 11(4.712,-1.905) 12(4.712,-0.635) 13(4.712,0.635) 14(4.712,1.905) 15(4.712,3.175) 16(4.712,4.445)
  silkscreen extent -5.68,-5.15 3.4,5.15, body extent -5.16,-5.15 5.16,5.15, height 2.65
SOIC127P1032X265-20N [mm]
  rect 1.925x0.65 smd: 1(-4.712,5.715) 2(-4.712,4.445) 3(-4.712,3.175) 4(-4.712,1.905) 5(-4.712,0.635) 6(-4.712,-0.635) 7(-4.712,-1.905) 8(-4.712,-3.175) 9(-4.712,-4.445) 10(-4.712,-5.715) 11(4.712,-5.715) 12(4.712,-4.445) 13(4.712,-3.175) 14(4.712,-1.905) 15(4.712,-0.635) 16(4.712,0.635) 17(4.712,1.905) 18(4.712,3.175) 19(4.712,4.445) 20(4.712,5.715)
  silkscreen extent -5.68,-6.4 3.4,6.4, body extent -5.16,-6.4 5.16,6.4, height 2.65
SOP64P600X175-24N [mm]
  rect 1.525x0.435 smd: 1(-2.712,3.492) 2(-2.712,2.858) 3(-2.712,2.222) 4(-2.712,1.588) 5(-2.712,0.952) 6(-2.712,0.318) 7(-2.712,-0.318) 8(-2.712,-0.952) 9(-2.712,-1.588) 10(-2.712,-2.222) 11(-2.712,-2.858) 12(-2.712,-3.492) 13(2.712,-3.492) 14(2.712,-2.858) 15(2.712,-2.222) 16(2.712,-1.588) 17(2.712,-0.952) 18(2.712,-0.318) 19(2.712,0.318) 20(2.712,0.952) 21(2.712,1.588) 22(2.712,2.222) 23(2.712,2.858) 24(2.712,3.492)
  silkscreen extent -3.47,-4.33 1.6,4.33, body extent -3,-4.33 3,4.33, height 1.6
SOP65P640X120-20N [mm]
  rect 1.475x0.45 smd: 1(-2.938,2.925) 2(-2.938,2.275) 3(-2.938,1.625) 4(-2.938,0.975) 5(-2.938,0.325) 6(-2.938,-0.325) 7(-2.938,-0.975) 8(-2.938,-1.625) 9(-2.938,-2.275) 10(-2.938,-2.925) 11(2.938,-2.925) 12(2.938,-2.275) 13(2.938,-1.625) 14(2.938,-0.975) 15(2.938,-0.325) 16(2.938,0.325) 17(2.938,0.975) 18(2.938,1.625) 19(2.938,2.275) 20(2.938,2.925)
  silkscreen extent -3.67,-3.25 1.85,3.5, body extent -3.2,-3.25 3.2,3.25, height 1.13
SOT95P237X112-3N [mm]
  rect 1.25x0.65 smd: 1(-1.05,0.95) 2(-1.05,-0.95) 3(1.05,0)
  silkscreen extent -1.68,-1.43 0.08,1.53, body extent -1.18,-1.43 1.18,1.43, height 1.12
SOT95P280X145-5N [mm]
  rect 1.2x0.6 smd: 1(-1.25,0.95) 2(-1.25,0) 3(-1.25,-0.95) 4(1.25,-0.95) 5(1.25,0.95)
  silkscreen extent -1.85,-1.45 0.3,1.5, body extent -1.4,-1.45 1.4,1.45, height 1.2
SOT230P700X180-4N [mm]
  rect 1.65x0.95 smd: 1(-3.15,2.3) 2(-3.15,0) 3(-3.15,-2.3)
  rect 1.65x3.25 smd: 4(3.15,0)
  silkscreen extent -3.98,-3.25 1.75,3.25, body extent -3.5,-3.25 3.5,3.25, height 1.8
SOT353_5 [mm] "SC-88A, SC70-5, TSSOP5, SOT-353, DCK (TI), 0.65mm pitch 2X1.3mm, 0.65mm pitch"
  oval 1x0.4 smd mask+0.075: 1(-1,0.65) 2(-1,0) 3(-1,-0.65) 4(1,-0.65) 5(1,0.65)
  silkscreen extent -1.3,-1.1 0.7,1.5, body extent -1.15,-1.05 1.15,1.05, height 1
SOTFL50P160X60-8N [mm]
  rect 0.475x0.3 smd: 1(-0.838,0.75) 2(-0.838,0.25) 3(-0.838,-0.25) 4(-0.838,-0.75) 5(0.838,-0.75) 6(0.838,-0.25) 7(0.838,0.25) 8(0.838,0.75)
  silkscreen extent -1.07,-1.05 0.25,1.15, body extent -0.8,-1.05 0.8,1.05, height 0.6
ST-TF-003A [mm]
  rect 0.7x1.6 smd: 1(2.25,0) 2(1.15,0) 3(0.05,0) 4(-1.05,0) 5(-2.15,0) 6(-3.25,0) 7(-4.35,0) 8(-5.45,0) 9(-6.55,0)
  rect 1.2x1.6 smd: 10(-7.75,-0.6) 14(-7.75,-10.1) 15(7.75,-10.1)
  round 1.524 hole 1: 11(3.05,-10.5) 12(-4.95,-10.5)
  rect 1.6x1.4 smd: 13(6.85,-0.5)
  silkscreen extent -8.05,-14.5 8.05,1.51
SWPBS_SPST_6X3X5 [mm] "SWITCH, PUSHBUTTON, SMD, SPST, 6X3.5mm, SKQMBBE010, 50000 Cycles, 1.57N Force"
  oval 2.2x1.6 smd mask+0.1: 1(-3.5,0) 2(3.5,0)
  silkscreen extent -3.1,-1.9 3.1,1.9, body extent -3.65,-1.75 3.65,1.75, height 5
SWSLIDT_SPDT_R_8X4 [mm] "SWSLIDT_SPDT_S_8X4, MHSS1105"
  oval 1.6x1.2 hole 0.5 slot 0.9 at 0 deg: 1(2.5,0) 2(0,0) 3(-2.5,0)
  silkscreen extent -4.2,-0.3 4.2,5.2, body extent -4.25,-0.2 4.25,5.3, height 3.75
TO228P972X240-3N [mm]
  rect 2.1x1 smd: 1(-4.35,2.28) 3(-4.35,-2.28)
  rect 5.85x4.9 smd: 4(2.45,0)
  silkscreen extent -5.27,-3.25 -0.85,3.42, body extent -4.78,-3.3 4.75,3.3, height 2.3
TP80D50 [mm]
  round 0.8 hole 0.5 mask+0.025: 1(0,0)
  silkscreen extent -0.5,-0.5 0.5,0.5
TPS2121RUXR [mm]
  rect 1.05x0.4 smd: 1(-0.675,0.35) 2(-0.675,-0.35) 7(0.675,-0.35) 8(0.675,0.35)
  rect 0.2x0.6 smd: 3(-0.75,-1.15) 4(-0.25,-1.15) 5(0.25,-1.15) 6(0.75,-1.15) 9(0.75,1.15) 10(0.25,1.15) 11(-0.25,1.15) 12(-0.75,1.15)
  silkscreen extent -1.7,0.3 -1.6,0.4, body extent -1,-1.25 1,1.25, height 1
USB_MICRO_AB_TM_SHT [mm] "CONN, USB Micro AB, Top mount, Shell THT, molex 475900001"
  oval 0.4x1.4 smd: 1(-1.3,0) 2(-0.65,0) 3(0,0) 4(0.65,0) 5(1.3,0)
  oval 1.2x1.4 hole 0.8 mask+0.05: SH1(-2.3,-0.2) SH2(2.3,-0.2)
  rect 2x2 smd: SH3(-4,2.6) SH4(-1.2,2.6) SH5(1.2,2.6) SH6(4,2.6)
  oval 0.8x1.6 hole 0.5 slot 1.2 at 90 deg: SH7(-4.2,2.8) SH8(4.2,2.8)
  silkscreen extent -4.08,-1.2 4.08,5.43, body extent -4.32,-0.35 4.32,5.55, height 2.71
XTL_2_11X5 [mm] "SMD crystal resonator, ABL, ABLS, HC-49, HC49 11X4.5MM"
  oval 3x1.5 smd: 1(-5.6,0) 2(5.6,0)
  silkscreen extent -5.7,-2.4 5.7,2.4, body extent -6.4,-2.41 6.4,2.42, height 4.3
XTL_2_2012 [mm] "ABS06 2.0X1.2mm"
  rrect50% 1x1.2 smd mask+0.075: 1(-1,0) 2(1,0)
  Top Layer pour cut-out: -0.5,0.8 0.5,0.8 0.5,-0.8 -0.5,-0.8
  silkscreen extent -1.7,-0.8 1.7,0.8, body extent -1,-0.61 1,0.61, height 0.6